# Altium PCB PCB_Project.PcbDoc (part 1 of 4)
Units mm, origin at the board's own origin, x right, y up, seen from the top; angles counter-clockwise.
Board outline 170.43 x 170.05 mm, 4 copper layers (Top Layer, Inner Layer1, Inner Layer2, Bottom Layer), stack 0.551 mm thick; 181 components, 248 nets, 1695 pads, 510 vias.
Unrouted connection lines stored in the file: 313.
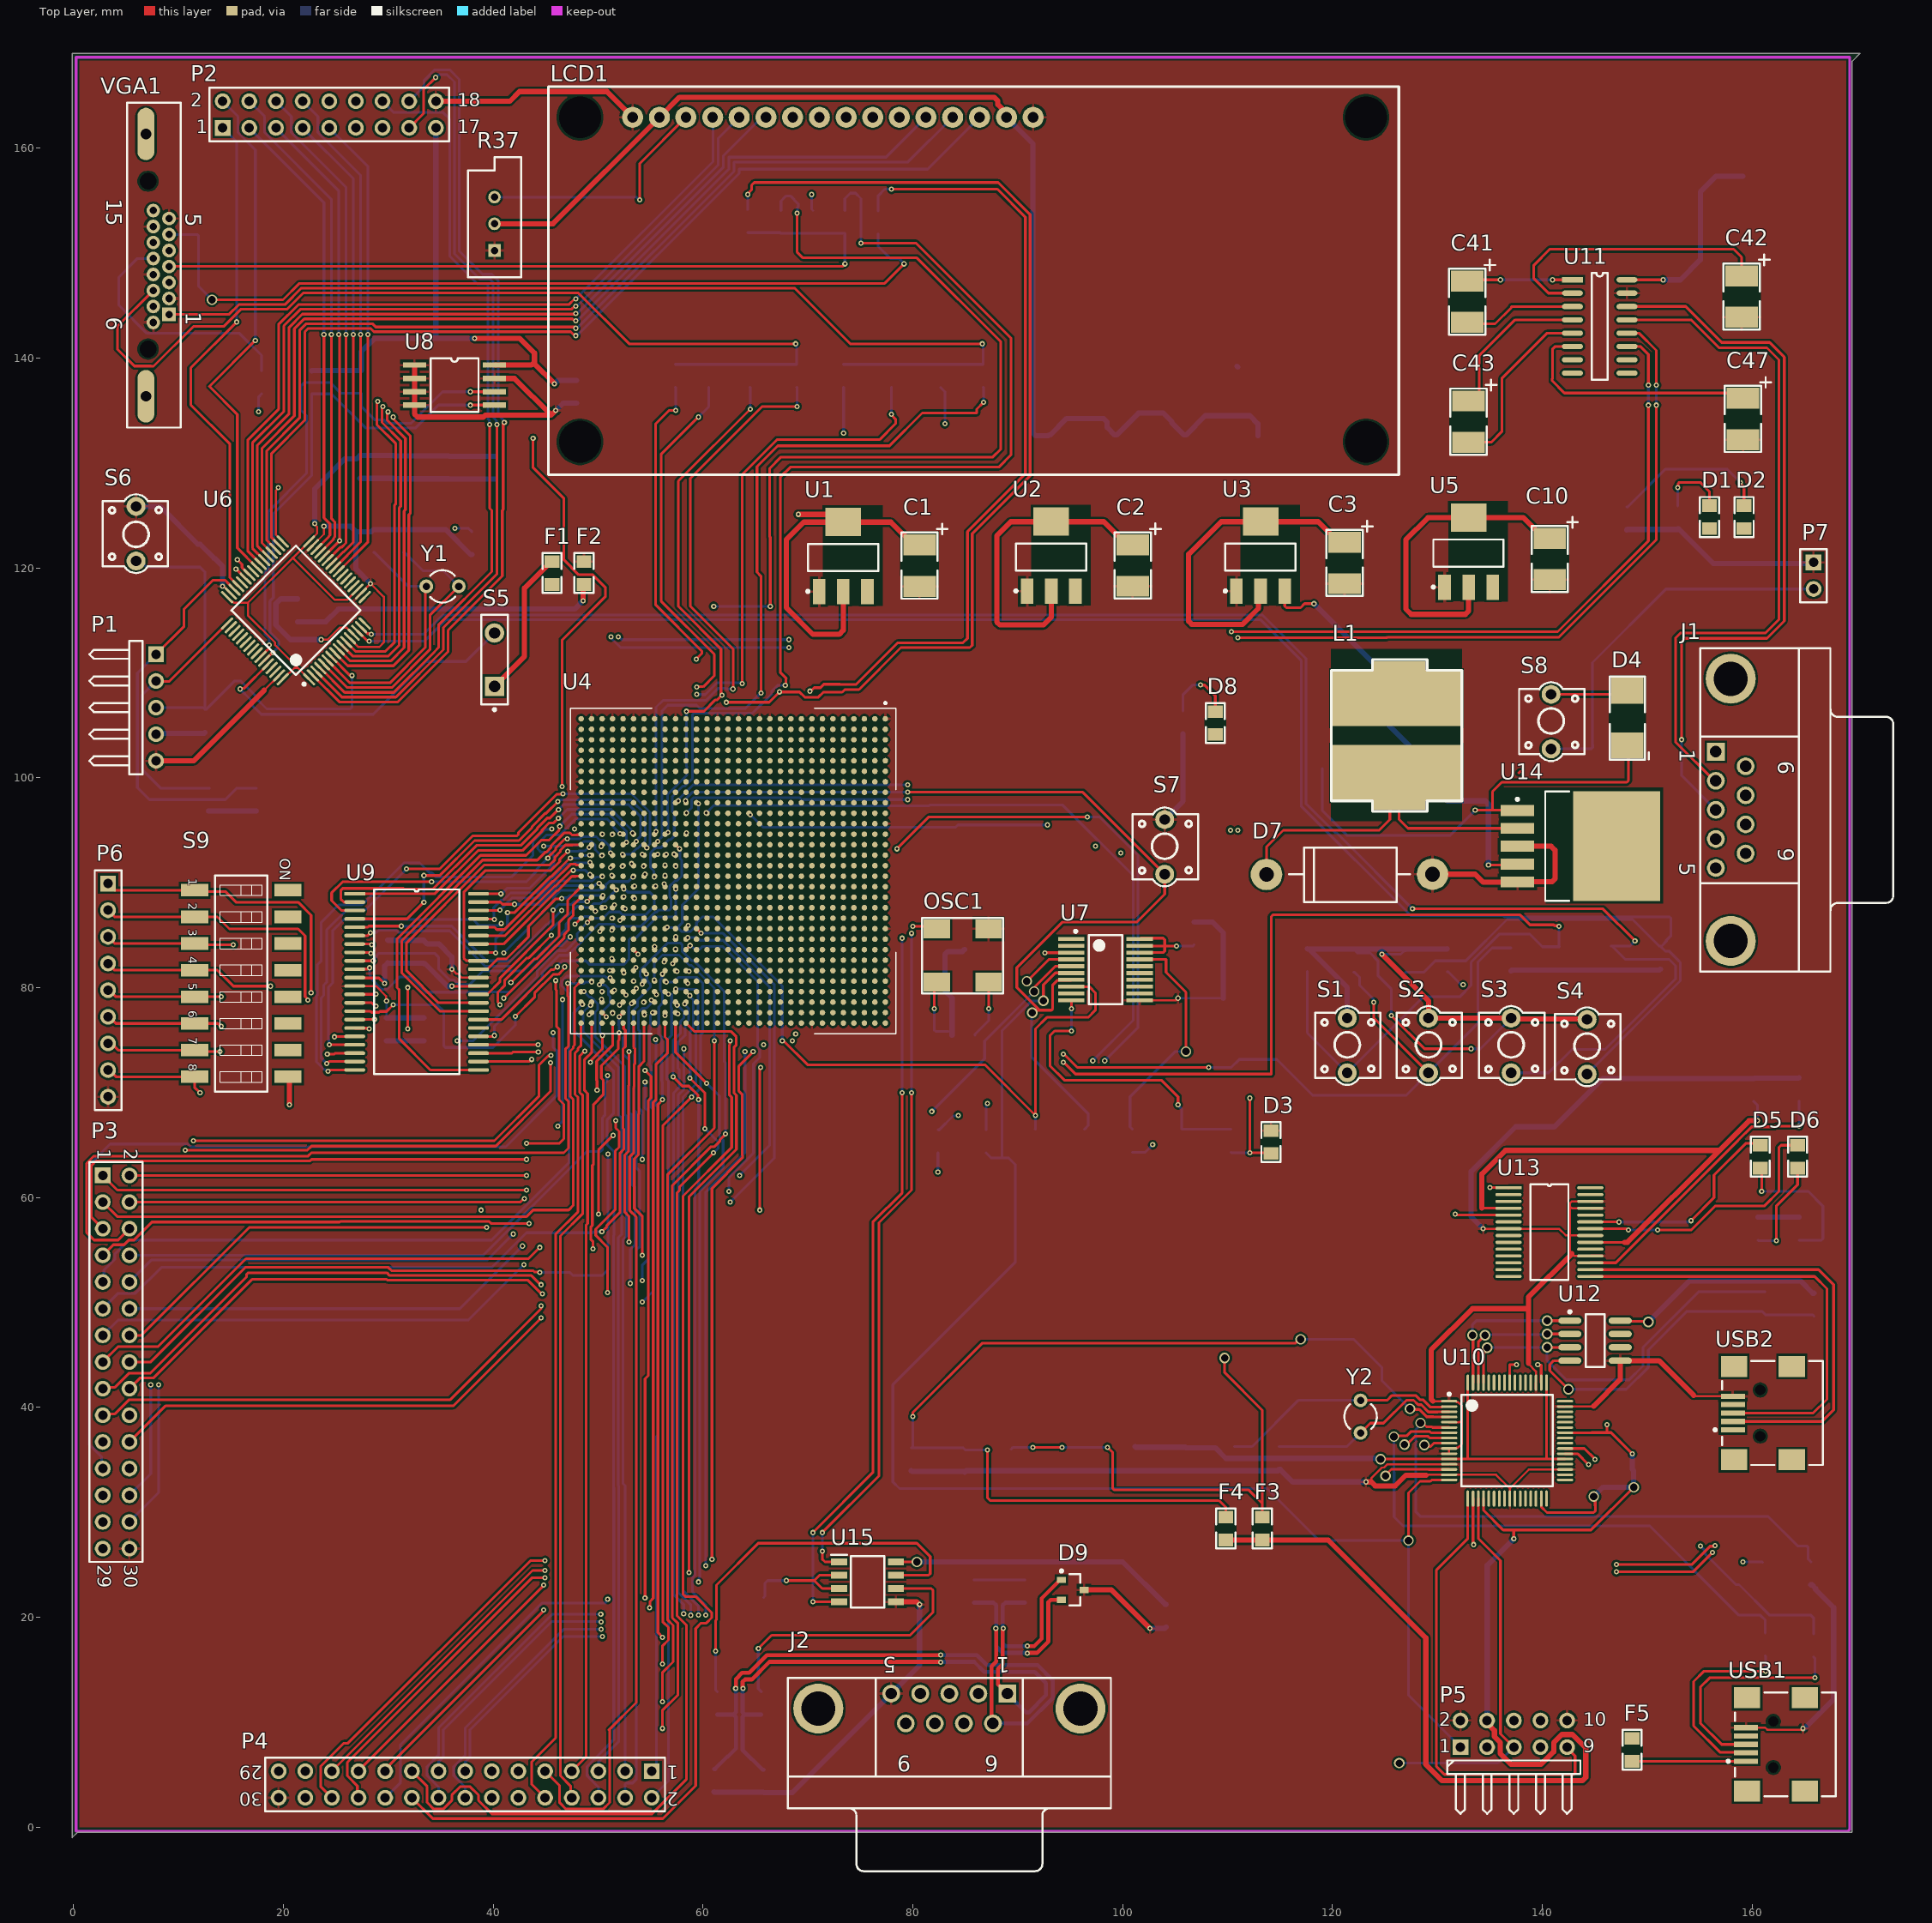
[diagram p0: Top Layer view]
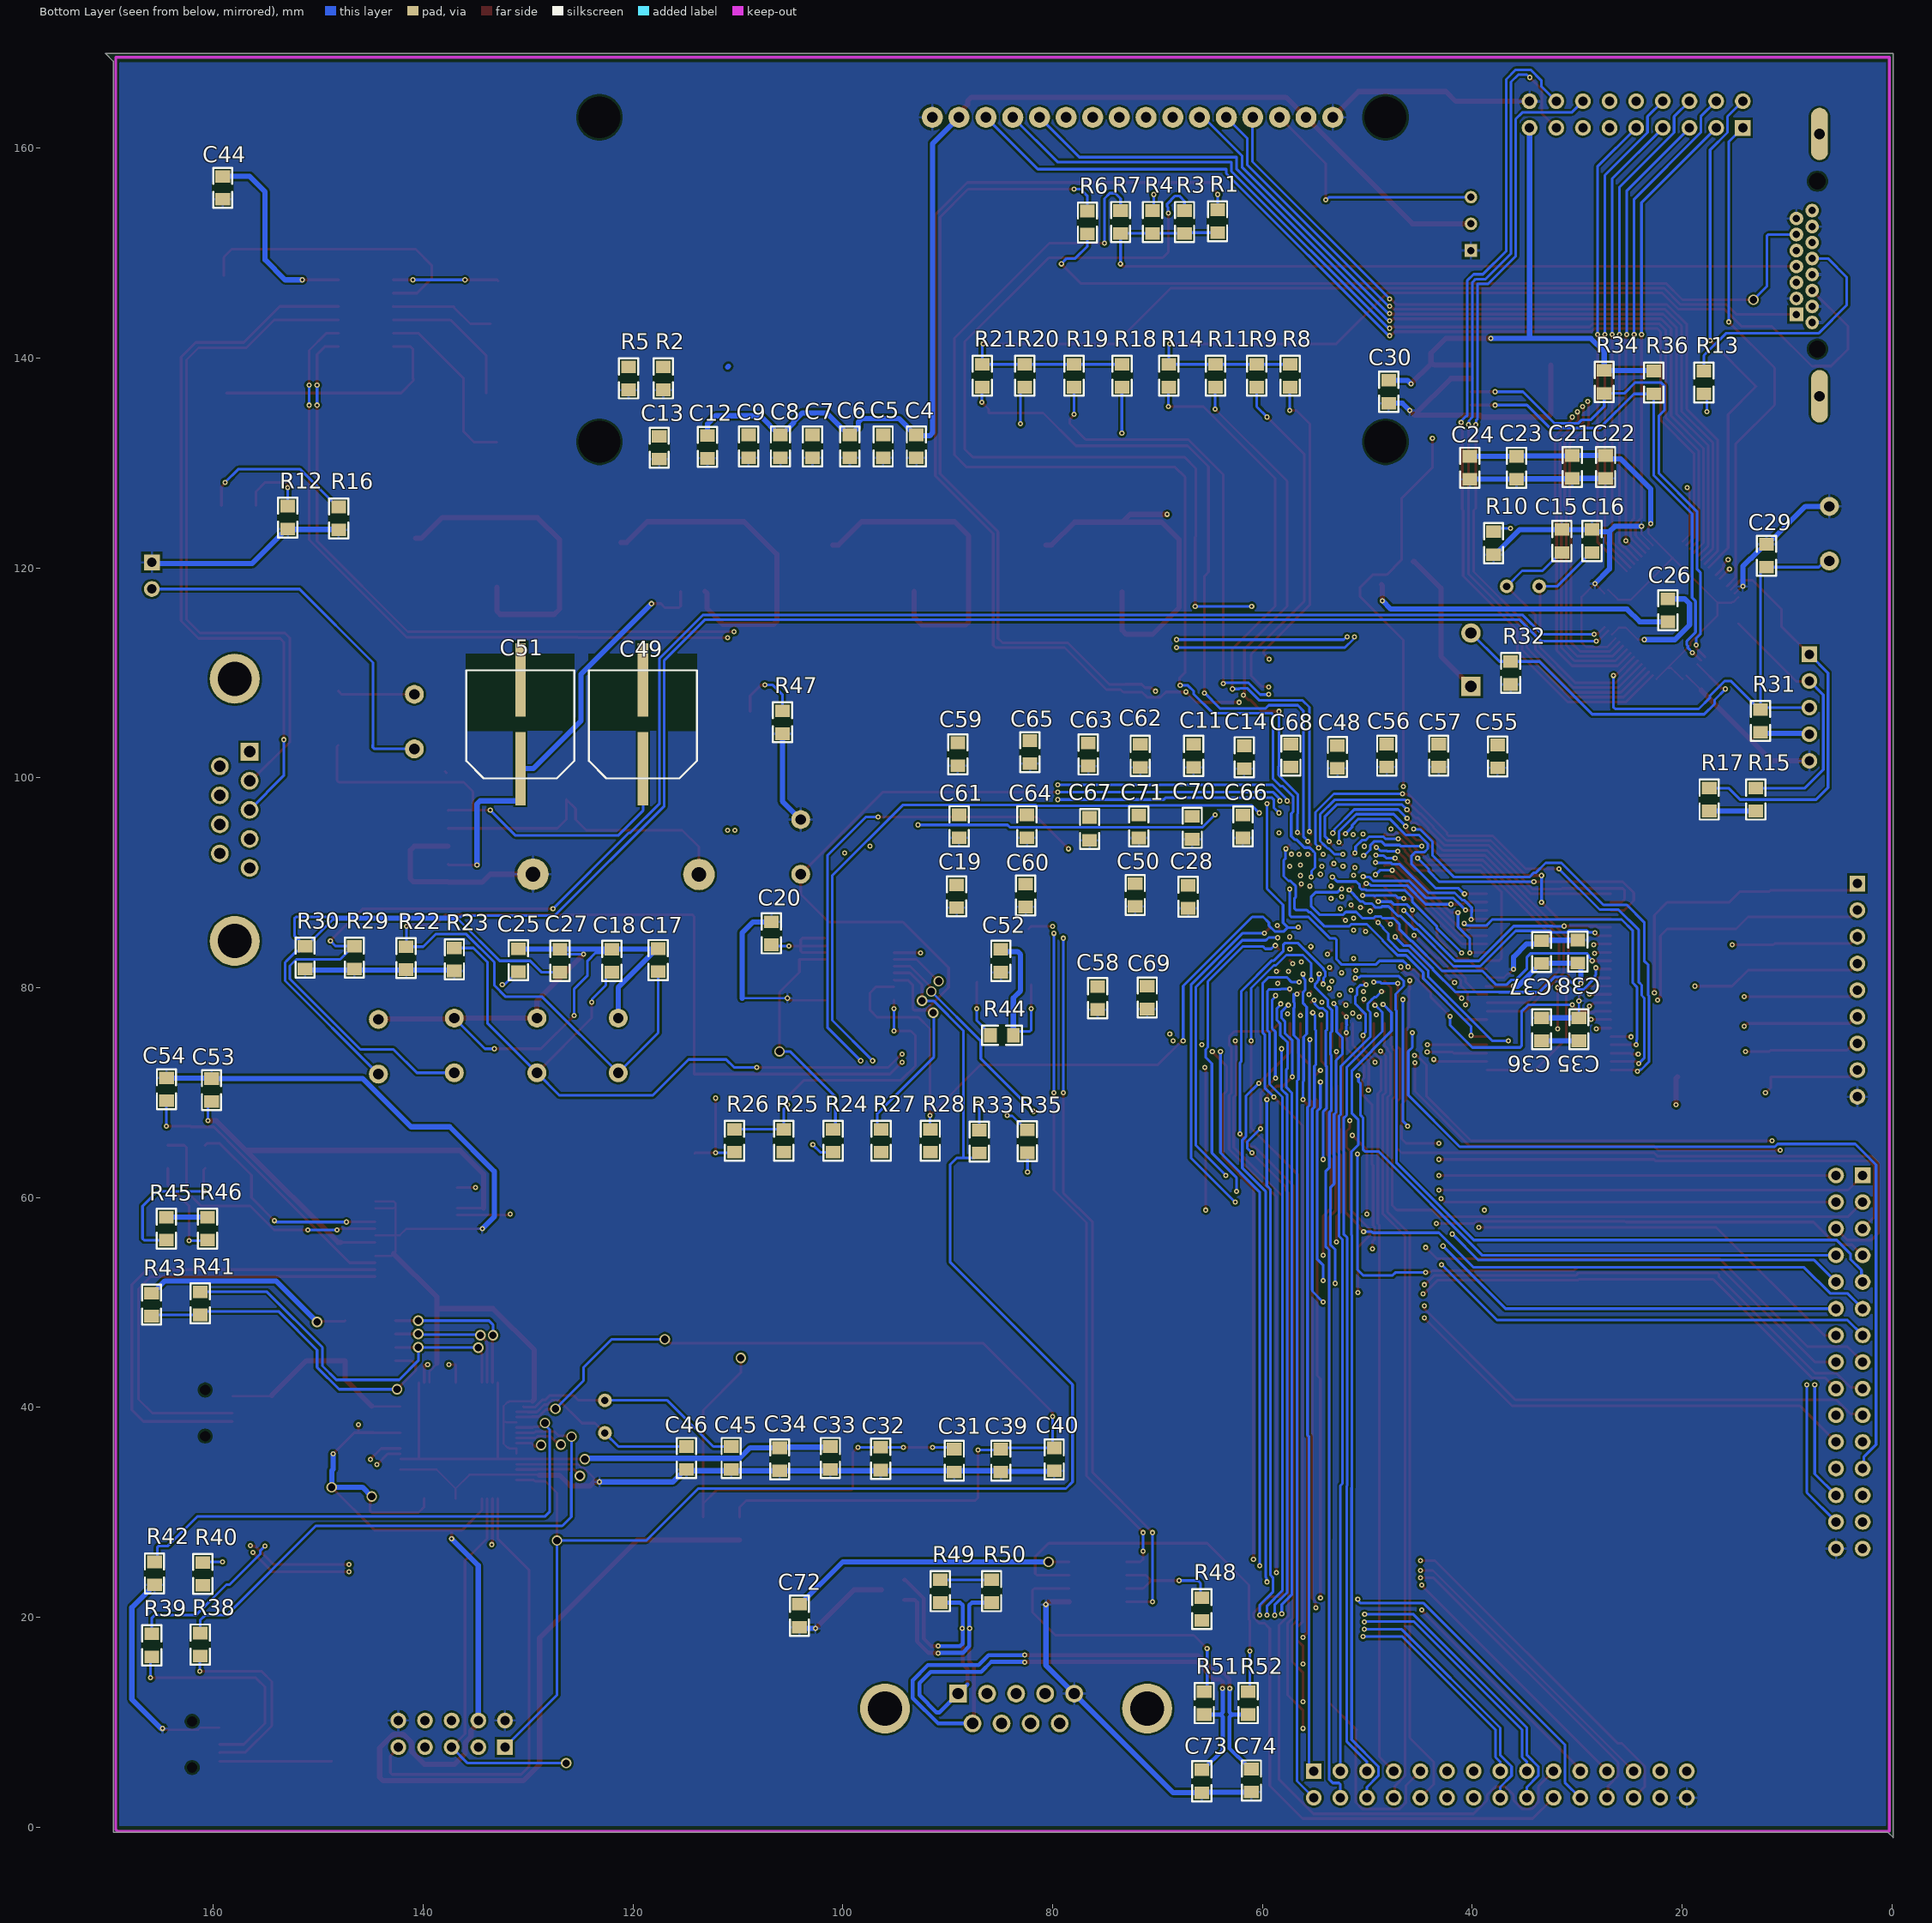
[diagram p1: Bottom Layer view, seen from below]
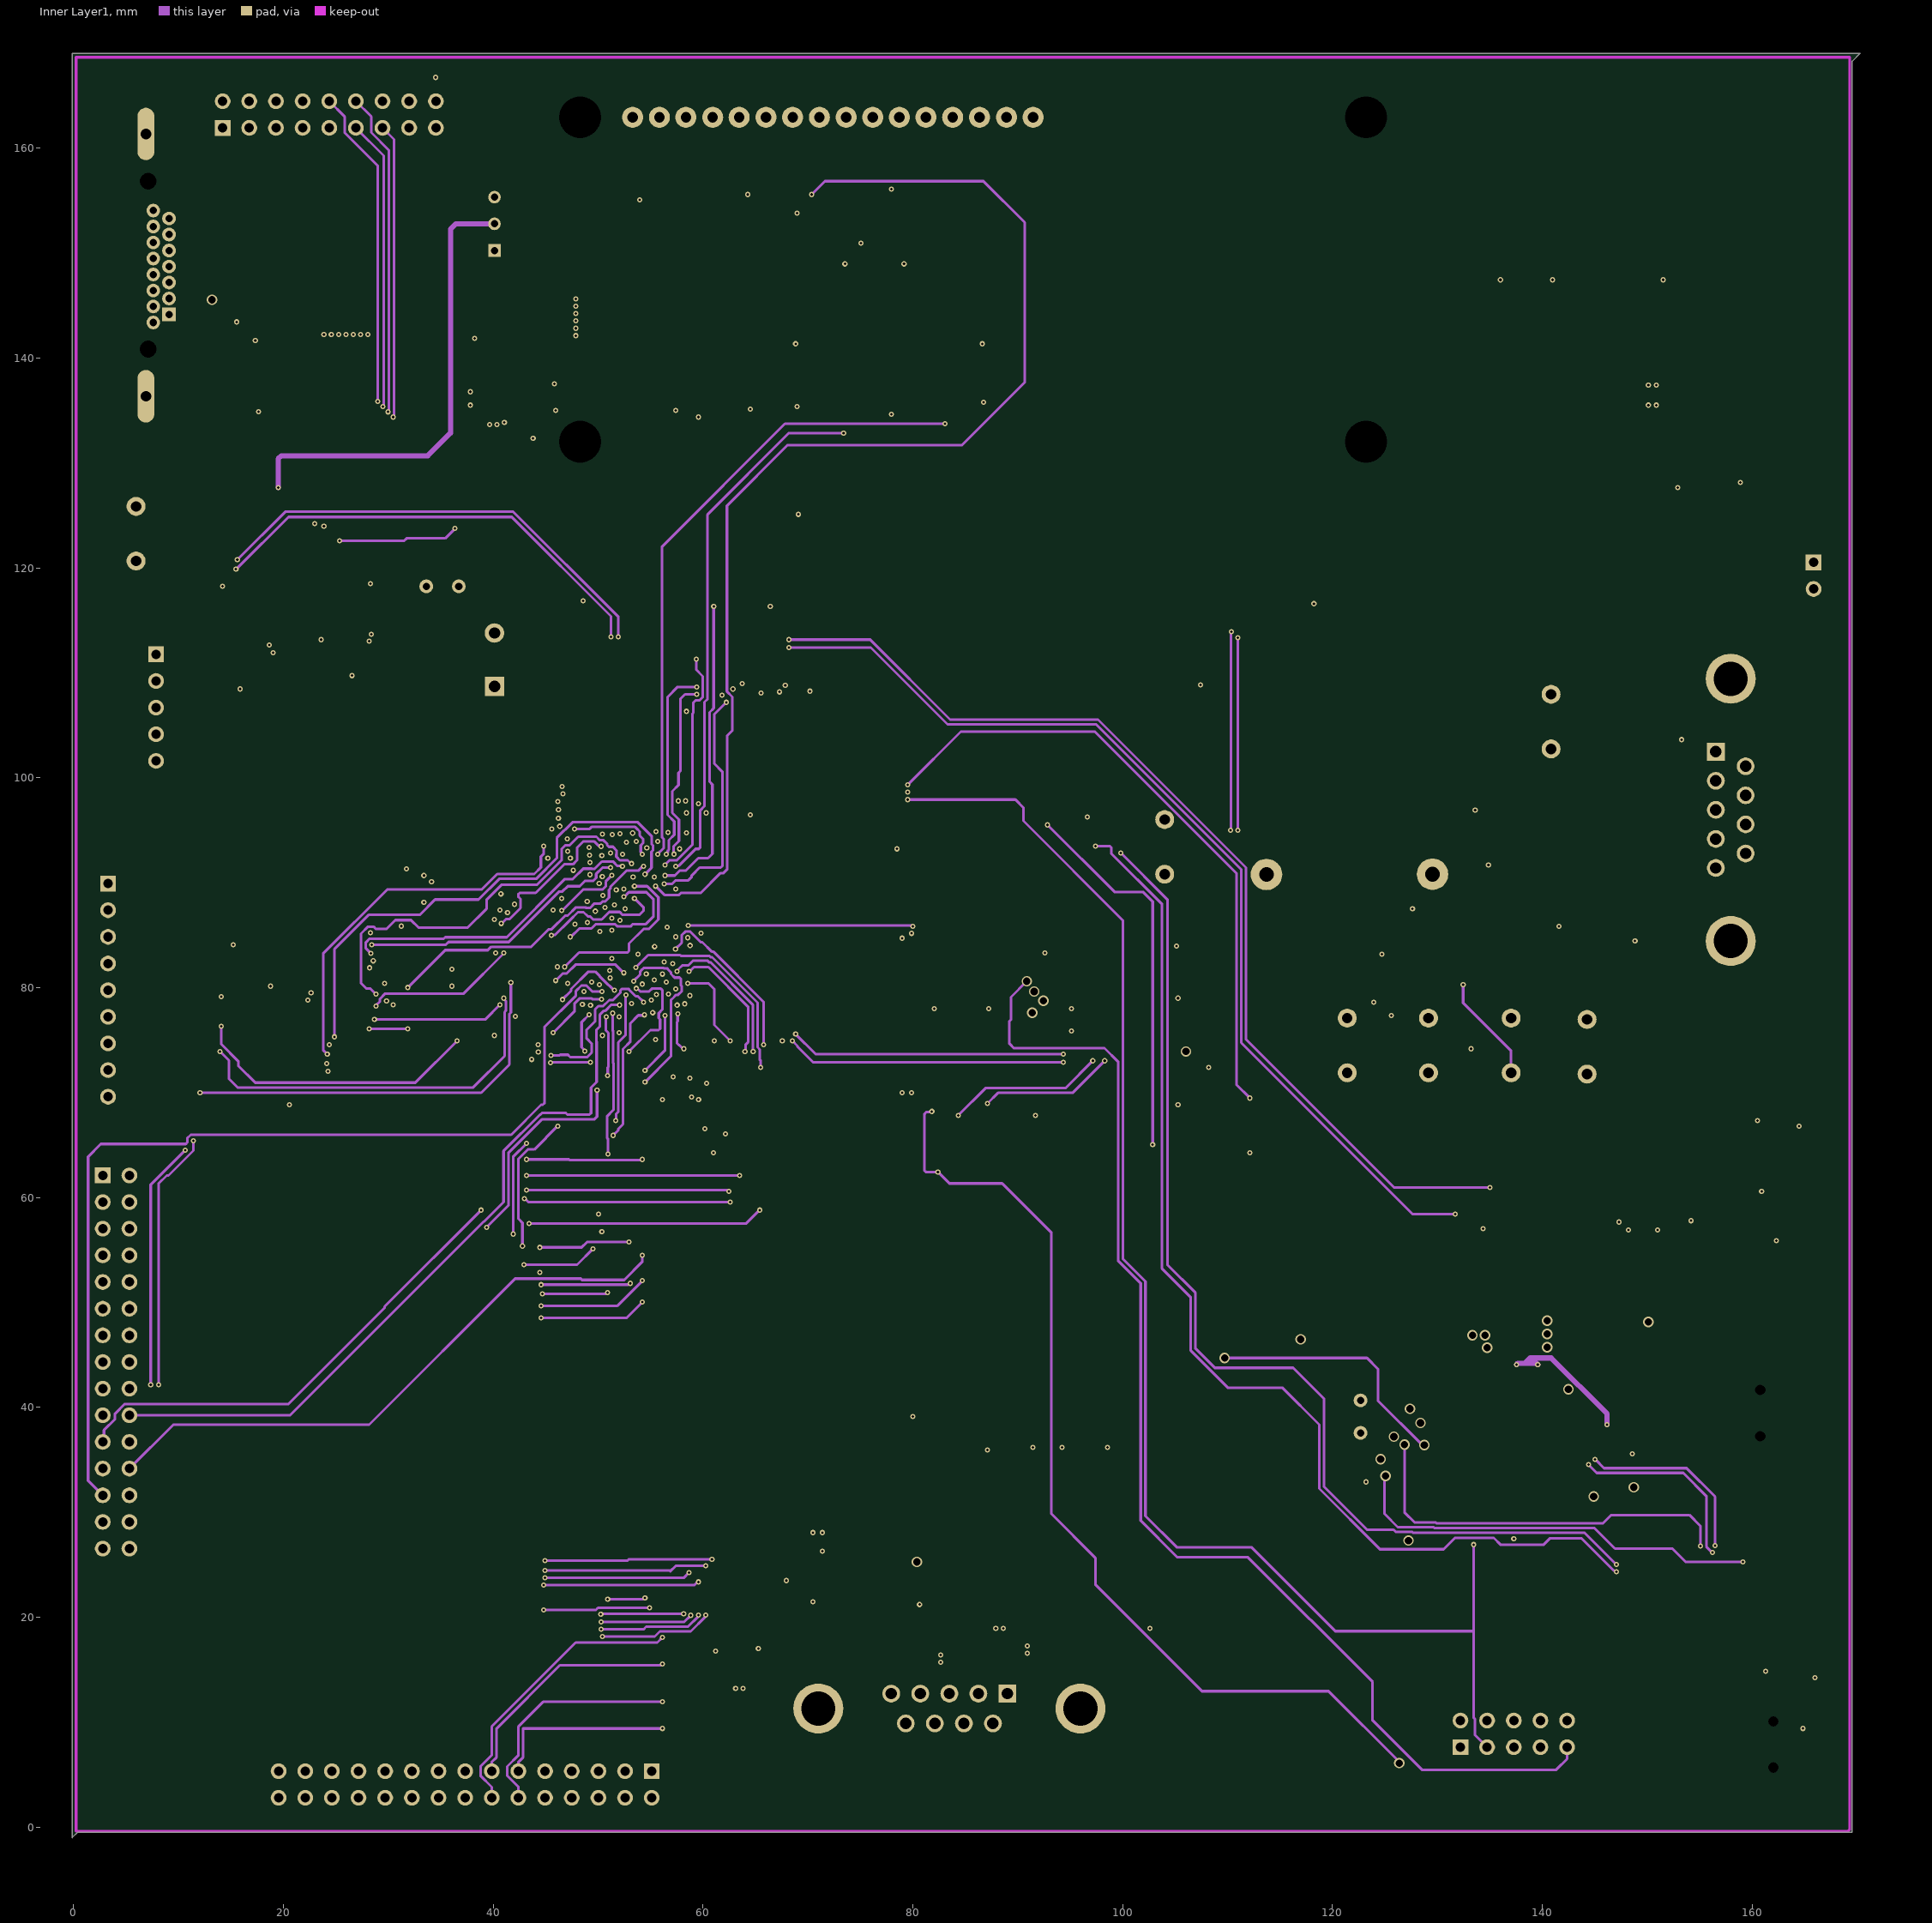
[diagram p2: Inner Layer1]